# Altium PCB Mynd_BT.PcbDoc (part 2 of 2)
Units mm, origin at the board's own origin, x right, y up, seen from the top; angles counter-clockwise.
Board outline 55 x 41 mm, 4 copper layers (Component Side, Mid Layer 1, Mid Layer 2, Solder Side), stack 1.58 mm thick; 136 components, 79 nets, 396 pads, 302 vias.
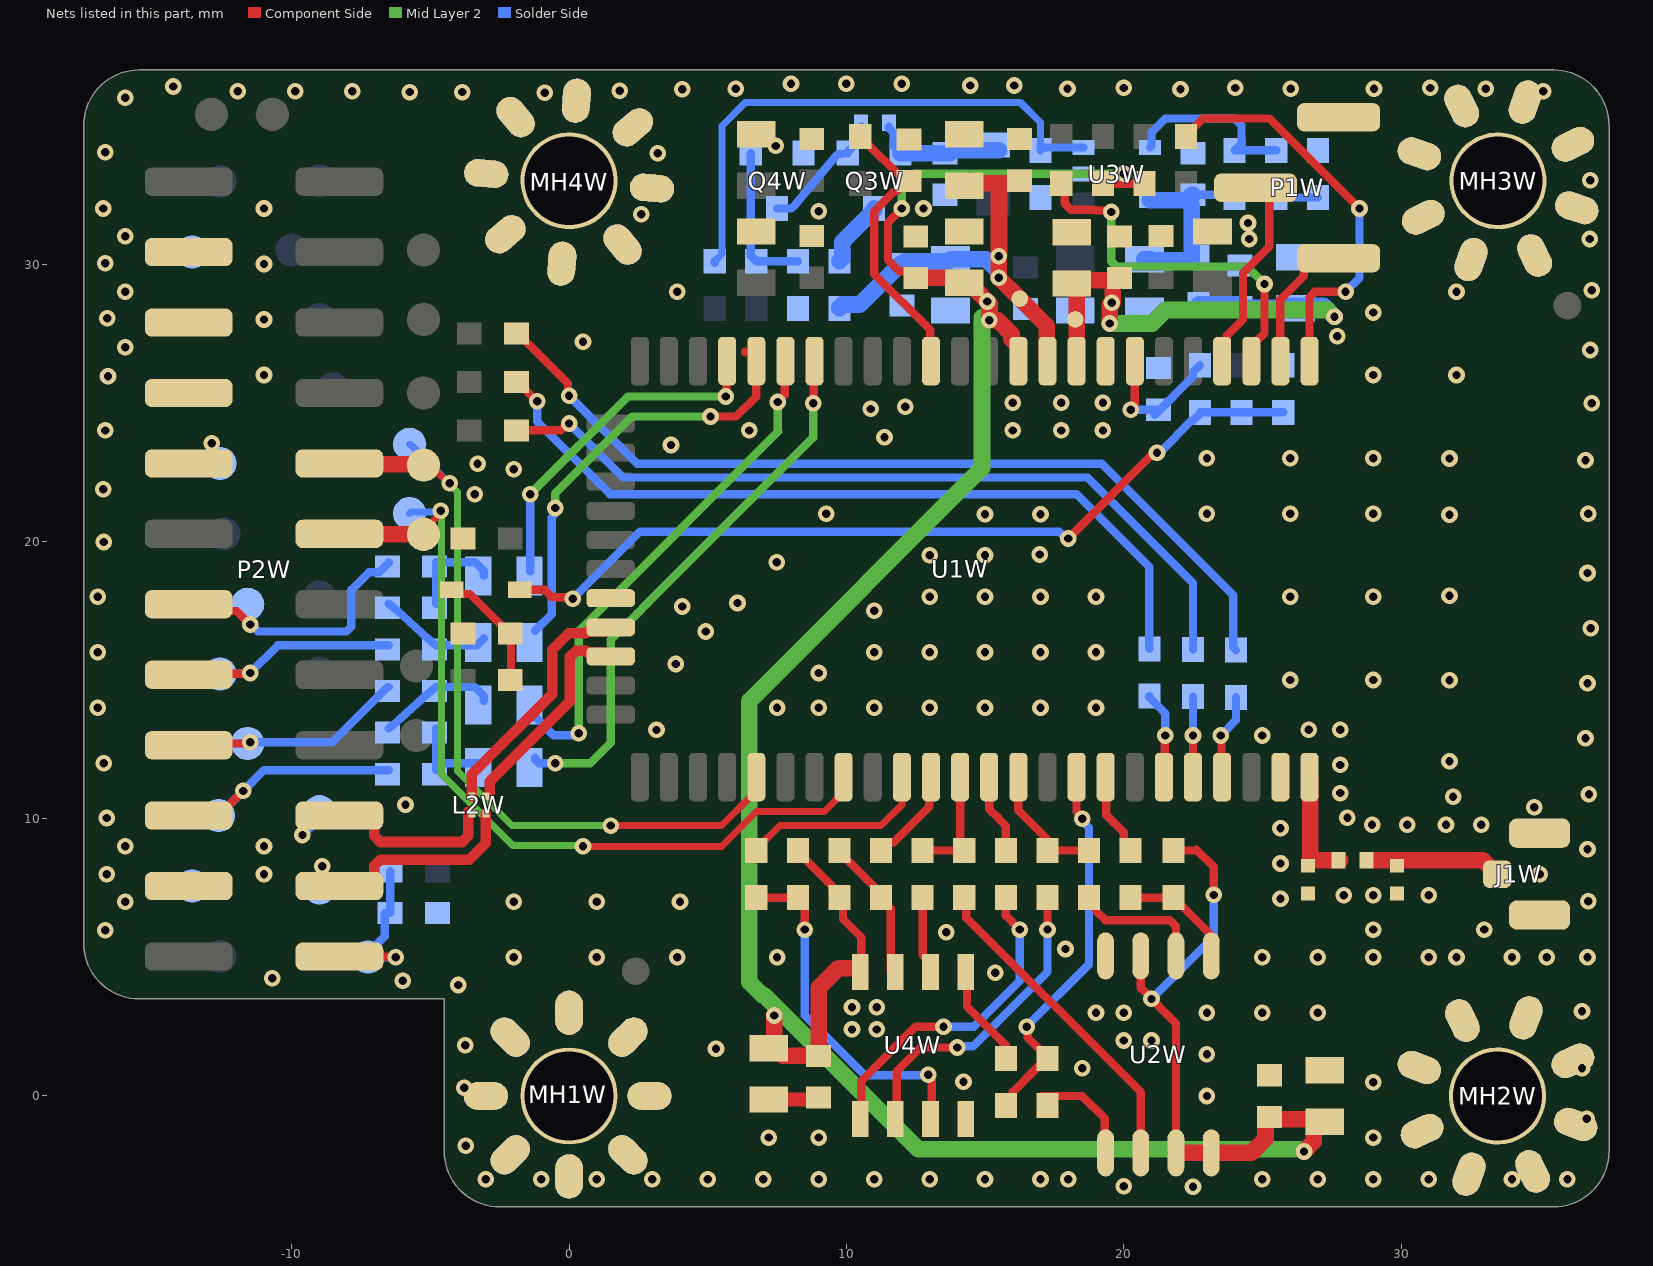
[diagram p4: the nets of this part, all layers, seen from the top]

## Via types
v1: diameter 0.6, hole 0.3, Component Side to Solder Side, tented both sides, 302 vias

## Nets (pads, with @x,y where several pads share a name; then routed paths per layer and width w, separated by ;. In a path a pad name is that pad's centre, name@x,y a point inside that pad or via, vN(x,y) a via of type N, cw(c..) or ccw(c..) an arc to the next point about the centre after c; other vN are vias at no path point) (continued)
BT_VBAT: C10W.2 C11W.2 C28W.1 C29W.2 FB4W.2 TP11W.1 U1W.51 | length 19.4
  Component Side w0.6: C11W.2@18,29.325 18.05,29.325 18.125,29.325 18.3,29.15 18.3,28.05 TP11W.1@18.25,28 ; U1W.51@18.3,26.5 TP11W.1@18.3,28 ; C11W.2@18.3,29.42 C10W.2@19.625,29.42 ; v1(19.5,27.855) 19.5,28.53 v1(19.57,28.6) ; v1@19.6,28.6 19.6,29.395 C10W.2@19.625,29.42 ; C10W.2@19.75,29.495 19.7,29.495 C10W.2@19.625,29.42
  Mid Layer 2 w0.6: v1(19.5,27.855) 21.019,27.855 21.505,28.341 27.359,28.341 v1(27.6,28.1)
  Solder Side w0.6: FB4W.2@22.7,28.55 24.045,28.55 24.15,28.445 C29W.2@24.2,28.445 24.223,28.423 C28W.1@25.627,28.423 ; C29W.2@23.998,28.475 C29W.2@24.02,28.497 ; C28W.1@25.9,28.4 25.985,28.485 27.215,28.485 v1(27.6,28.1)
  other v1: 27.7,27.4
BT_VBUS: C22W.1 C23W.1 C30W.2 C31W.2 FB5W.2 TP13W.1 U1W.50 | length 16.5
  Component Side w0.6: C23W.1@14.25,32.825 14.425,33 14.5,33 14.585,32.915 15.501,32.915 ; C22W.1@16,33.005 15.91,32.915 15.501,32.915 ; U1W.50@17.25,26.5 17.225,26.525 17.225,27.775 TP13W.1@16.25,28.75 v1(15.494,29.506) 15.494,30.353 15.501,30.36 15.501,32.915
  Solder Side w0.6: FB5W.2@9.75,28.4 9.75,28.439 9.85,28.539 10.484,28.539 11.95,30.005 C31W.2@12,30.005 12.085,30.09 13.665,30.09 C30W.2@13.75,30.175 15.037,30.175 v1@15.494,29.718 ; v1(15.494,29.506) v1@15.494,29.718 ; v1(15.494,30.275) v1@15.494,29.718
BT_VCC: C4W.2 C6W.2 C12W.2 C18W.2 C20W.1 C21W.1 R11W.1 R15W.1 R25W.1 R26W.1 R33W.1 U1W.49 U2W.3 U2W.7 U2W.8 U4W.8 | length 105.2
  Component Side w0.3: R26W.1@8.15,8.75 R26W.1@8.25,8.85 8.25,8.8 9.5,7.549 9.5,7.4 9.874,7.026 9.874,6.382 10.541,5.715 U4W.8@10.541,4.411 ; v1(12,32) 11.5,31.5 11.5,30.145 11.9,29.745 12.25,29.745 C18W.2@12.5,29.495 ; R11W.1@19.25,32.9 20,32.9 ; v1(20,33.25) 20,32.9 ; U2W.3@20.615,5.05 20.615,3.885 21.885,2.615 U2W.7@21.885,-2.05 ; R15W.1@20.75,32.9 20,32.9 ; R33W.1@21.8,8.85 22.6,8.85 22.626,8.876 23.25,8.251 v1(23.25,7.25)
  Component Side w0.6: v1(7.4,2.9) 7.4,1.75 7.705,1.445 C20W.1@9,1.445 ; C20W.1@9,1.545 9,3.9 9.7,4.6 10.395,4.6 U4W.8@10.395,4.65 ; 12.961,29.5 14.075,29.5 C12W.2@14.25,29.325 ; C12W.2@14.475,29.325 14.65,29.15 14.65,29.075 15.15,28.575 v1(15.15,27.975) 15.459,27.975 15.955,27.479 15.955,27.295 16.175,27.075 U1W.49@16.175,26.525 ; U2W.7@21.885,-2.05 U2W.8@23.03,-2.05 ; U2W.8@23.155,-2.05 24.605,-2.05 25.114,-1.541 25.114,-0.855 25.214,-0.755 C6W.2@25.25,-0.755 25.335,-0.84 27.165,-0.84 C4W.2@27.25,-0.925 27.025,-0.925 26.85,-1.1 26.85,-1.65 v1(26.5,-2)
  Mid Layer 2 w0.3: v1(12,32) 12,32.795 12.455,33.25 v1(20,33.25)
  Mid Layer 2 w0.6: v1@14.891,28.072 14.891,22.641 6.5,14.25 6.5,4.1 6.964,3.636 7.036,3.636 12.597,-1.925 v1@26.5,-1.925 ; v1(15.075,28.65) 15.15,28.575 v1(15.15,27.975)
  Solder Side w0.3: v1(21,3.5) 23.25,5.75 v1(23.25,7.25)
BT_Ver: P2W.24 R10W.2 R13W.1 TP7W.1 | length 6.4
  Component Side w0.3: P2W.24@-8.286,5.03 -8.271,5.015 -6.265,5.015 v1(-6.25,5)
  Solder Side w0.3: R13W.1@-6.65,6.6 -6.65,5.75 -7.25,5.15 TP7W.1@-7.25,5.015 -7.243,5.008 -6.258,5.008 v1(-6.25,5) ; R13W.1@-6.45,6.6 R10W.2@-6.45,8.1
BUD_N: L2W.4 U1W.28 | length 8.9
  Component Side w0.381: L2W.4@-3.503,10.812 -3.503,11.595 -0.604,14.494 -0.604,16.097 -0.009,16.693 0.592,16.693 0.665,16.765 1.365,16.765 U1W.28@1.5,16.9
BUD_P: L2W.3 U1W.27 | length 7.7
  Component Side w0.381: -2.868,10.944 -2.868,11.332 0.031,14.231 0.031,15.834 0.255,16.058 0.592,16.058 0.665,15.985 1.365,15.985 U1W.27@1.5,15.85
FLASH_CS: R33W.2 R34W.2 U2W.1 | length 4.2
  Component Side w0.3: R34W.2@20.25,7.15 R33W.2@21.8,7.15 21.8,7.1 22.05,6.85 22.1,6.85 23.098,5.852 23.098,5.107 U2W.1@23.155,5.05
FLASH_MISO: R36W.2 U2W.2 | length 4.8
  Component Side w0.3: R36W.2@18.75,7.15 19,6.9 19,6.676 19.337,6.338 21.662,6.338 21.885,6.115 U2W.2@21.885,5.05
FLASH_MOSI: R37W.2 U2W.5 | length 3.9
  Component Side w0.3: R37W.2@17.044,0 18.5,0 19.317,-0.817 19.317,-2.022 U2W.5@19.345,-2.05
FLASH_SCLK: R35W.2 U2W.6 | length 11.8
  Component Side w0.3: R35W.2@14.25,7.15 14.324,7.075 14.324,6.426 20.615,0.135 U2W.6@20.615,-2.05
GND: C1W.2 C2W.2 C4W.1 C6W.1 C7W.2 C8W.2 C10W.1 C11W.1 C12W.1 C14W.2 C15W.1 C16W.2 C17W.1 C18W.1 C19W.2 C20W.2 C21W.2 C22W.2 C23W.2 C24W.2 C25W.1 C26W.2 C27W.1 C28W.2 C29W.1 C30W.1 C31W.1 C32W.1 C33W.1 J1W.2 MH1W.1 MH2W.1 MH3W.1 MH4W.1 P1W.3 P2W.3 P2W.5 P2W.7 P2W.21 Q4W.S R13W.2 R19W.2 R21W.1 R24W.2 R40W.2 R41W.2 R44W.1 TP26W.1 TP33W.1 U1W.2 U1W.29 U1W.52 U2W.4 U3W.2 U4W.4 | length 1.9
  Component Side w0.5: C21W.2@7.235,-0.09 C21W.2@7.2,-0.125 8.93,-0.125 C20W.2@9,-0.055
  other v1: 22.5,-3.275 20,-3.25 -3,-3 -1,-3 1,-3 3,-3 5,-3 7,-3 9,-3 11,-3 13,-3 15,-3 17,-3 18,-3 25,-3 27,-3 29,-3 31,-3 34,-3 36,-3 -3.725,-1.8 7.2,-1.5 9,-1.5 29,-1.5 36.7,-0.825 23,0 -3.775,0.3 29,0.5 14.224,0.508 18.5,1 36.525,1 23,1.5 5.3,1.7 -3.75,1.825 20,2 21,2 10.2,2.4 11.1,2.4 19,3 20,3 23,3 25,3 27,3 36.525,3.05 10.2,3.2 11.1,3.2 -4,4 -6,4.15 -10.7,4.25 15.367,4.445 -2,5 1,5 3.9,5 7.5,5 25,5 27,5 29,5 31,5 32,5 34,5 35.25,5 36.725,5 17.9,5.3 13.6,5.9 -16.725,5.975 29,6 33,6 -16,7 -2,7 1,7 4,7 36.75,7.025 25.654,7.112 27.94,7.239 29,7.239 31,7.239 -16.675,8 -11,8 35,8 25.654,8.382 36.725,8.9 -16,9 -11,9 25.654,9.652 28.956,9.779 30.226,9.779 31.623,9.779 32.893,9.779 -16.675,10.025 28.067,10.033 34.798,10.414 -5.901,10.5 31.877,10.795 36.775,10.875 27.813,10.922 27.813,11.938 -16.775,12 31.75,12.065 36.65,12.9 25,13 3.15,13.2 26.67,13.208 27.813,13.208 -17,14 7.5,14 9,14 11,14 13,14 15,14 17,14 19,14 36.721,14.878 26,15 29,15 31.75,14.986 9,15.25 3.85,15.575 -17,16 11,16 13,16 15,16 17,16 19,16 4.925,16.75 36.84,16.867 11,17.5 4.075,17.65 6.075,17.775 -17,18 13,18 15,18 17,18 19,18 26,18 29,18 31.75,18.034 36.721,18.856 7.486,19.25 13,19.5 15,19.5 16.975,19.525 -16.775,19.975 31.75,20.955 9.275,21 15,20.98 17,20.98 23,21 26,21 29,21 36.75,21 -3.4,21.7 -16.8,21.875 -2,22.6 -3.3,22.8 36.65,22.925 23,23 26,23 29,23 31.75,22.987 3.675,23.475 11.375,23.75 -16.725,24 6.5,24 16,24 17.75,24 19.25,24 10.875,24.775 12.125,24.85 36.875,24.975 16,25 17.75,25 19.25,25 -16.625,25.95 -11,26 29,26 32,26 36.825,26.9 -16,27 0.5,27.2 -11,28 -16.65,28.05 29,28.25 -16,29 3.9,29 32,29 36.875,29.05 -11,30 -16.725,30.025 24.525,30.9 36.8,30.9 -16,31 24.483,31.477 2.6,31.8 9,31.9 -16.8,32 -11,32 12.78,32 36.825,33.025 3.2,34 -16.725,34.025 7.45,34.259 -16,36 -0.875,36.175 -5.75,36.2 -3.85,36.2 -11.95,36.225 -9.875,36.225 -7.815,36.236 35.125,36.225 1.825,36.25 4.075,36.3 6.007,36.32 22.05,36.3 17.975,36.325 26.025,36.325 29.025,36.325 33.05,36.325 20,36.35 24.025,36.35 31.05,36.35 -14.275,36.4 14.471,36.439 16.05,36.439 8,36.5 10,36.5 12,36.5
GPIO0: R5W.2 U1W.59 | length 14.8
  Component Side w0.3: R5W.2@22.251,34.6 22.251,34.65 22.852,35.25 25.25,35.25 v1(28.5,32) ; U1W.59@26.7,26.5 26.7,28.8 26.9,29 v1(28,29)
  Solder Side w0.3: v1(28,29) 28.5,29.5 v1(28.5,32)
GPIO1: R6W.2 U1W.57 | length 13.2
  Component Side w0.3: R6W.2@17.748,32.9 17.874,32.775 17.874,32.176 18.095,31.955 18.962,31.955 18.984,31.932 19.493,31.932 v1(19.55,31.875) ; U1W.57@24.6,26.5 24.6,27.043 24.774,27.217 24.792,27.217 25.075,27.5 v1(25.075,29.28)
  Mid Layer 2 w0.3: v1(19.55,31.875) 19.55,30.1 19.74,29.91 24.445,29.91 v1(25.075,29.28)
GPIO2/UART_RX: P1W.1 U1W.58 | length 5
  Component Side w0.3: U1W.58@25.65,26.5 25.65,28.725 26.494,29.569 26.494,29.858 26.596,29.96 P1W.1@27.75,29.96
GPIO3/UART_TX: P1W.2 U1W.56 | length 7.1
  Component Side w0.3: U1W.56@23.55,26.5 23.717,26.667 23.717,27.417 24.3,28 24.3,29.675 25.25,30.625 25.25,32.398 25.148,32.5 P1W.2@24.75,32.5
GPIO8: R27W.1 U1W.12 | length 2.9
  Component Side w0.3: U1W.12@15.15,11.5 15.15,10.35 15.5,10 15.5,9.984 15.75,9.735 R27W.1@15.75,8.85
GPIO9: R28W.1 R35W.1 U1W.13 | length 4.2
  Component Side w0.3: R28W.1@12.75,8.85 14.1,8.85 R35W.1@14.25,8.85 14.1,9 U1W.13@14.1,11.5
GPIO10: R30W.1 R36W.1 U1W.11 | length 4.6
  Component Side w0.3: U1W.11@16.2,11.5 16.2,10.3 17.25,9.25 R30W.1@17.25,8.85 ; R30W.1@17.25,8.85 R36W.1@18.75,8.85
GPIO11: R29W.1 R37W.1 U1W.9 | length 13.9
  Component Side w0.3: R29W.1@15.75,-0.325 16,-0.075 16,0.151 16.9,1.05 17,1.05 17.25,1.3 17.25,1.4 16.538,2.111 16.538,2.462 v1(16.5,2.5) ; U1W.9@18.3,11.5 18.3,10.254 18.5,10.054 v1(18.5,10)
  Solder Side w0.3: v1(16.5,2.5) 18.75,4.75 18.75,9.674 18.5,9.924 v1(18.5,10)
GPIO13: R32W.1 U1W.14 | length 3.5
  Component Side w0.3: R32W.1@11.25,8.85 11.25,8.9 11.5,9.15 11.709,9.15 12.984,10.425 12.984,11.434 U1W.14@13.05,11.5
GPIO14: R31W.1 U1W.15 | length 7.1
  Component Side w0.254: R31W.1@6.75,8.85 6.75,8.9 6.799,8.95 7.6,9.75 11.25,9.75 12,10.5 U1W.15@12,11.225
  Component Side w0.3: R31W.1@6.7,8.95 R31W.1@6.799,8.95 ; R31W.1@6.75,8.537 R31W.1@6.75,8.85
GPIO16: R34W.1 U1W.8 | length 3
  Component Side w0.3: U1W.8@19.35,11.5 19.371,11.479 19.371,10.129 20.007,9.493 20.007,9.093 R34W.1@20.25,8.85
Line_L_N: P2W.15 R9W.2 TP30W.1 | length 8.7
  Component Side w0.3: P2W.15@-13.716,15.19 -13.686,15.22 -11.53,15.22 v1(-11.5,15.25)
  Solder Side w0.3: TP30W.1@-12.59,15.22 v1(-11.5,15.25) -10.5,16.25 R9W.2@-6.5,16.25
Line_L_P: P2W.13 R7W.2 TP29W.1 | length 9.5
  Component Side w0.3: P2W.13@-13.716,17.73 -13.474,17.488 -11.988,17.488 v1(-11.5,17)
  Solder Side w0.3: v1@-11.537,17.025 v1(-11.5,17) -11.474,17 -11.224,16.75 -8.026,16.75 -7.85,16.926 -7.85,18.25 -7.219,18.881 -6.849,18.881 -6.499,19.231 R7W.2@-6.499,19.247
Line_R_N: P2W.19 R16W.2 TP32W.1 | length 9.2
  Component Side w0.3: P2W.19@-13.716,10.11 -12.641,10.11 v1@-11.751,11
  Solder Side w0.3: TP32W.1@-12.641,10.11 v1(-11.75,11) -11,11.75 R16W.2@-6.5,11.75
Line_R_P: P2W.17 R12W.2 TP31W.1 | length 8.2
  Component Side w0.3: P2W.17@-13.716,12.65 -13.654,12.712 -11.538,12.712 v1(-11.5,12.75)
  Solder Side w0.3: TP31W.1@-11.396,12.648 -11.502,12.747 -11.505,12.75 v1(-11.5,12.75) -8.55,12.75 -6.55,14.75 R12W.2@-6.5,14.75
MCU_RX: P2W.10 TP5W.1 TP18W.1 U1W.20 | length 29.4
  Component Side w0.254: TP5W.1@-5.28,22.78 -5.047,22.78 -4.367,22.1 v1(-4.3,22.1) ; v1(1.5,9.75) 5.5,9.75 6.502,10.752 6.533,10.752 6.75,10.969 U1W.20@6.75,11.5
  Component Side w0.6: P2W.10@-8.286,22.81 -8.256,22.78 TP5W.1@-5.28,22.78
  Mid Layer 2 w0.254: v1(-4.3,22.1) -4.3,22.053 -4.025,21.778 -4.025,11.722 -2.053,9.75 v1(1.5,9.75)
  Solder Side w0.254: TP18W.1@-5.75,23.5 -5.725,23.5 -4.325,22.1 v1(-4.3,22.1)
MCU_TX: P2W.12 TP6W.1 TP19W.1 U1W.17 | length 31.7
  Component Side w0.254: TP6W.1@-5.259,20.261 -5.259,20.39 -5.248,20.39 -4.632,21.006 v1(-4.632,21.1) ; v1(0.5,9) 5.5,9 6.762,10.262 9.212,10.262 9.9,10.95 U1W.17@9.9,11.5
  Component Side w0.6: P2W.12@-8.286,20.27 -8.278,20.261 TP6W.1@-5.259,20.261
  Mid Layer 2 w0.254: v1(-4.632,21.1) -4.6,21.068 -4.6,11.6 -2.04,9.04 0.46,9.04 v1(0.5,9)
  Solder Side w0.254: TP19W.1@-5.75,21 -5.7,21.05 -4.682,21.05 v1(-4.632,21.1)
NetC1W_1: C1W.1 J1W.1 L1W.1 | length 4.6
  Component Side w0.6: 29.043,8.5 32.95,8.5 33.45,8 J1W.1@33.475,8
NetC2W_1: C2W.1 L1W.2 U1W.1 | length 4
  Component Side w0.6: U1W.1@26.7,11.5 26.725,11.475 C2W.1@26.725,8.5 ; C2W.1@26.822,8.523 26.845,8.5 L1W.2@27.8,8.5
NetC3W_1: C3W.1 U1W.39 | length 12.6
  Component Side w0.3: v1(5.65,25.225) 5.675,25.25 5.675,26.475 U1W.39@5.7,26.5
  Mid Layer 2 w0.3: v1(-1.4,21.7) 2.123,25.223 v1(5.65,25.225)
  Solder Side w0.3: C3W.1@-1.4,18.925 v1(-1.4,21.7)
NetC3W_2: C3W.2 R7W.1 R14W.2 | length 3.5
  Solder Side w0.3: R14W.2@-4.799,17.753 -4.799,19.247 -3.4,19.247 -3.075,18.922 C3W.2@-3.075,18.75
NetC5W_1: C5W.1 U1W.41 | length 18.3
  Component Side w0.3: v1(7.525,25.025) 7.775,25.275 U1W.41@7.775,26.419
  Mid Layer 2 w0.3: v1(0.35,13.075) 0.35,16.775 7.54,23.965 7.525,23.98 v1(7.525,25.025)
  Solder Side w0.3: C5W.1@-1.225,13.675 -0.557,13.007 0.282,13.007 v1(0.35,13.075)
NetC5W_2: C5W.2 R8W.2 R12W.1 | length 4.3
  Solder Side w0.3: R8W.2@-6.5,13.251 -6.2,13.501 -6.079,13.611 -5.284,14.333 -5.1,14.5 -4.814,14.738 -4.8,14.75 -3.4,14.75 -3.075,14.425 C5W.2@-3.075,14.25
NetC19W_1: C19W.1 Q3W.S R22W.1 R45W.1 | length 4.7
  Solder Side w0.2: C19W.1@13.745,34 13.75,33.995 C19W.1@13.855,34.1
  Solder Side w0.3: R45W.1@11.53,34.95 11.53,34.9 11.7,34.73 11.7,34.25 Q3W.S@11.95,34
  Solder Side w0.6: Q3W.S@11.95,34 11.952,33.998 13.743,33.998 C19W.1@13.745,34 ; C19W.1@13.855,34.1 R22W.1@15.501,34.1
NetC26W_1: C26W.1 C27W.2 FB4W.1 R42W.1 U3W.5 | length 7.4
  Solder Side w0.3: C27W.2@22.5,32.495 23.905,32.495 R42W.1@24,32.4
  Solder Side w0.6: U3W.5@20.95,32.3 22.255,32.3 C27W.2@22.35,32.205 ; C26W.1@20.975,30.175 C26W.1@20.75,30.175 20.788,30.137 22.435,30.137 22.45,30.152 22.45,32.105 C27W.2@22.35,32.205 ; C27W.2@22.5,32.495 22.45,32.495 22.35,32.395 C27W.2@22.35,32.205
NetC32W_2: C32W.2 R39W.2 U1W.53 | length 5.3
  Component Side w0.3: v1@20.252,24.748 20.252,24.807 20.4,24.954 U1W.53@20.4,26.5
  Solder Side w0.3: v1(20.25,24.75) 20.252,24.748 21.248,24.748 C32W.2@21.25,24.745 ; C32W.2@21.118,24.564 22.5,25.945 22.5,26.1 R39W.2@22.75,26.35
NetC33W_2: C33W.2 R18W.2 U1W.46 | length 11.3
  Component Side w0.3: R18W.2@10.252,34.6 R18W.2@10.502,34.35 ; R18W.2@10.502,34.599 10.502,34.549 R18W.2@10.752,34.299 ; C33W.2@11.846,33.256 10.802,34.299 R18W.2@10.752,34.299 ; C33W.2@12.25,32.995 12.2,32.995 11.835,32.63 11.739,32.63 11,31.891 11,29.641 13.025,27.616 13.025,26.525 U1W.46@13.05,26.5 ; R18W.2@10.403,34.449 R18W.2@10.502,34.35 ; R18W.2@10.403,34.449 R18W.2@10.502,34.35 ; R18W.2@10.403,34.449 R18W.2@10.502,34.35 ; R18W.2@10.601,34.45 R18W.2@10.752,34.299 ; R18W.2@10.601,34.45 R18W.2@10.752,34.299 ; R18W.2@10.601,34.45 R18W.2@10.752,34.299
NetC34W_1: C34W.1 U1W.40 | length 15.3
  Component Side w0.3: v1(5.1,24.5) 6.025,24.5 6.75,25.225 U1W.40@6.75,26.5 ; 6.355,26.809 6.355,26.839
  Mid Layer 2 w0.3: v1(-0.5,21.2) -0.5,21.725 2.275,24.5 v1(5.1,24.5)
  Solder Side w0.3: C34W.1@-1.225,16.775 -0.62,17.38 -0.62,20.874 -0.557,20.937 -0.557,21.143 v1(-0.5,21.2)
NetC34W_2: C34W.2 R9W.1 R14W.1 | length 4.1
  Solder Side w0.3: R14W.1@-6.5,17.753 -6.2,17.503 -5.1,16.5 -4.8,16.25 -3.325,16.25 C34W.2@-3.075,16.5
NetC35W_1: C35W.1 U1W.42 | length 20
  Component Side w0.3: v1(8.8,24.975) 8.825,25 8.825,26.475 U1W.42@8.85,26.5
  Mid Layer 2 w0.3: v1(-0.5,12) 0.775,12 1.5,12.725 1.5,16.441 2.445,17.386 2.814,17.755 8.8,23.741 v1(8.8,24.975)
  Solder Side w0.3: C35W.1@-1.225,12.208 -1.225,12.125 -1.1,12 v1(-0.5,12)
NetC35W_2: C35W.2 R8W.1 R16W.1 | length 3.4
  Solder Side w0.3: R8W.1@-4.8,13.251 -4.8,11.75 cw(c-4.55,11.75) -4.55,12 C35W.2@-3.075,12
NetD1W_A: D1W.A R2W.1 R41W.1 | length 4.5
  Component Side w0.3: D1W.A@-4.225,18.25 -4.075,18.1 -3.57,18.1 -2.147,16.677 -2.097,16.677 -2.097,15.027 R2W.1@-2.122,15.002
NetFB1W_2: FB1W.2 R1W.2 | length 29
  Component Side w0.3: FB1W.2@-1.9,25.75 -1.85,25.75 v1(-1.15,25.05)
  Solder Side w0.3: v1(-1.15,25.05) -1.15,24.32 1.47,21.7 18.3,21.7 20.925,19.075 R1W.2@20.925,16.125
NetFB2W_2: FB2W.2 R3W.2 | length 29.3
  Component Side w0.3: FB2W.2@-1.9,24 -0.304,24 -0.054,24.25 v1(0,24.25)
  Solder Side w0.3: v1(0,24.25) 1.95,22.3 18.7,22.3 22.5,18.5 R3W.2@22.5,16.1
NetFB3W_2: FB3W.2 R4W.2 | length 32
  Component Side w0.3: FB3W.2@-1.9,27.5 -1.85,27.5 -0.038,25.689 -0.038,25.288 v1(0,25.25)
  Solder Side w0.3: v1(0,25.25) 2.45,22.8 19.2,22.8 23.951,18.049 23.951,16.174 R4W.2@24.05,16.075
NetFB5W_1: FB5W.1 Q3W.D | length 2.4
  Solder Side w0.6: FB5W.1@9.75,30.1 9.85,30.2 9.85,30.8 10.9,31.85 11,31.95 Q3W.D@11,32
NetQ3W_G: Q3W.G Q4W.D R45W.2 | length 4.8
  Solder Side w0.3: Q4W.D@7.5,32 8.017,32 8.105,32.088 8.115,32.097 9.414,33.647 9.611,33.883 9.696,33.968 9.8,33.968 Q3W.G@10.05,34 10.05,34.05 10.3,34.3 10.3,34.467 10.309,34.476 10.309,34.679 10.53,34.9 R45W.2@10.53,34.95 ; 10.442,34.799 10.626,34.799 R45W.2@10.628,34.802
NetQ4W_G: Q4W.G R23W.2 R24W.1 | length 5.5
  Solder Side w0.3: Q4W.G@6.55,34 6.55,30.3 R23W.2@6.75,30.1 R24W.1@8.25,30.1
NetR1W_1: R1W.1 U1W.6 | length 3.2
  Component Side w0.3: U1W.6@21.45,11.5 21.475,11.525 21.475,12.975 v1(21.5,13)
  Solder Side w0.3: R1W.1@20.925,14.425 20.925,14.375 21.5,13.8 v1(21.5,13)
NetR3W_1: R3W.1 U1W.5 | length 2.9
  Component Side w0.3: U1W.5@22.5,11.5 v1(22.5,13)
  Solder Side w0.3: v1@22.5,13 R3W.1@22.5,14.4
NetR4W_1: R4W.1 U1W.4 | length 3.1
  Component Side w0.3: v1(23.5,13) 23.525,12.975 23.525,11.525 U1W.4@23.55,11.5
  Solder Side w0.3: v1(23.5,13) 24.05,13.55 R4W.1@24.05,14.375
NetR19W_1: R19W.1 R20W.1 U3W.3 | length 19.8
  Solder Side w0.254: R20W.1@5.25,30.1 5.517,30.367 5.517,34.981 6.368,35.832 16.268,35.832 17,35.1 R19W.1@17,34.263
  Solder Side w0.3: R20W.1@5.25,30.05 R20W.1@5.25,30.1 ; R19W.1@17,34.263 R19W.1@17,34.1 17.1,34.2 U3W.3@18.55,34.2
NetR42W_2: R42W.2 R43W.2 U3W.4 | length 6.6
  Solder Side w0.3: U3W.4@20.95,34.2 21,34.25 21,34.75 21.5,35.25 24,35.25 24.25,35 24.25,34.576 ; 24.25,34.575 24.25,34.35 R42W.2@24,34.1 R43W.2@25.5,34.1
NetR43W_1: R43W.1 R44W.2 | length 1.5
  Solder Side w0.3: R43W.1@25.5,32.4 R44W.2@27,32.4
ON/OFF: D1W.K R38W.2 R39W.1 R40W.1 | length 30.7
  Component Side w0.3: D1W.K@-1.775,18.25 -0.875,18.25 -0.607,17.982 0.073,17.982 v1(0.13,17.925) ; v1(18,20.1) 21.062,23.162 21.162,23.162 v1(21.2,23.2)
  Solder Side w0.3: v1(0.13,17.925) 2.555,20.35 17.669,20.35 17.919,20.1 v1(18,20.1) ; v1(21.2,23.2) 21.238,23.238 21.338,23.238 22.45,24.35 22.5,24.35 22.75,24.6 R39W.1@22.75,24.65 R38W.2@24.25,24.65 R40W.1@25.75,24.65
PSRAM_CE: R27W.2 U4W.1 | length 11.4
  Component Side w0.3: U4W.1@10.541,-0.831 10.541,0.541 12.5,2.5 v1(13.5,2.5) ; R27W.2@15.75,7.15 15.75,6.5 16,6.25
  Solder Side w0.3: v1(13.5,2.5) 14.6,2.5 16.25,4.15 v1(16.25,6)
PSRAM_SCLK: R28W.2 U4W.6 | length 2.6
  Component Side w0.3: R28W.2@12.75,7.15 12.75,5.087 12.925,4.911 12.931,4.911 12.935,4.907 U4W.6@12.935,4.65
PSRAM_SIO0: R29W.2 U4W.5 | length 3.2
  Component Side w0.3: U4W.5@14.351,4.411 14.351,3.224 15.75,1.825 R29W.2@15.75,1.775
PSRAM_SIO1: R30W.2 U4W.2 | length 11.2
  Component Side w0.3: U4W.2@11.811,-0.697 11.811,0.881 12.68,1.75 v1(14,1.75) ; v1(17.25,6) R30W.2@17.25,7.15
  Solder Side w0.3: v1(14,1.75) 14.038,1.788 14.567,1.788 17.25,4.471 v1(17.25,6)
PSRAM_SIO2: R26W.2 R31W.2 U4W.3 | length 12.9
  Component Side w0.3: R31W.2@6.75,7.15 R26W.2@8.25,7.15 8.5,6.9 8.5,6.675 v1(8.5,6) ; R26W.2@8.5,7.02 R26W.2@8.5,7.05 ; v1(12.954,0.762) 12.954,0.708 13.081,0.581 U4W.3@13.081,-0.889
  Solder Side w0.3: v1(8.5,6) 8.5,2.9 10.65,0.75 12.942,0.75 v1(12.954,0.762)
PSRAM_SIO3: R25W.2 R32W.2 U4W.7 | length 5.1
  Component Side w0.3: R25W.2@9.75,8.85 9.75,8.8 11,7.551 11,7.4 R32W.2@11.25,7.15 11.25,7.1 11.6,6.75 U4W.7@11.6,4.501
USB_B_N: L2W.2 P2W.20 TP22W.1 | length 9.2
  Component Side w0.381: v1(-9.616,9.411) -9.593,9.434 -9.593,9.795 -9.279,10.11 P2W.20@-8.286,10.11 -7.338,10.11 -7.024,9.795 -7.024,9.381 -6.8,9.158 -3.858,9.158 -3.635,9.381 -3.635,10.188 ; -3.635,10.251 L2W.2@-3.571,10.188
  Solder Side w0.381: v1(-9.616,9.411) -9.616,9.444 -9,10.06 TP22W.1@-9,10.25
USB_B_P: L2W.1 P2W.22 TP23W.1 | length 8.4
  Component Side w0.381: v1(-8.897,8.28) -8.897,7.885 -8.583,7.57 P2W.22@-8.286,7.57 -7.338,7.57 -7.024,7.885 -7.024,8.299 -6.8,8.523 -3.595,8.523 -3,9.118 L2W.1@-3,10.188
VSys: P2W.9 TP27W.1 | length 0.9
  Solder Side w0.3: v1(-12.891,23.537) -12.853,23.499 -12.853,23.316 -12.59,23.054 TP27W.1@-12.59,22.81
pads on no net: MK1W.0 MK1W.1 MK1W.MK_B MK1W.MKT MK2W.0 MK2W.1 MK2W.MK_B MK2W.MKT U1W.3 U1W.7 U1W.10 U1W.16 U1W.18 U1W.19 U1W.21 U1W.22 U1W.23 U1W.24 U1W.25 U1W.26 U1W.31 U1W.32 U1W.33 U1W.34 U1W.35 U1W.36 U1W.37 U1W.38 U1W.47 U1W.48 U1W.55

## Polygon pours and split planes (outlines as drawn)
GND on Mid Layer 1 "GND_L02_P009" (solid, remove dead copper, pour order 9): -17.5,35 cw(c-15.5,35) -15.5,37 35.5,37 cw(c35.321,34.849) 37.473,34.67 37.5,-2 cw(c35.371,-1.808) 35.179,-3.937 -2.5,-4 cw(c-2.5,-2) -4.5,-2 -4.5,3.5 -15.24,3.556 cw(c-15.177,5.905) -17.526,5.969 -17.526,30.734
GND on Mid Layer 2 "GND_L03_P007" (solid, remove dead copper, pour order 7): -17.5,35 cw(c-15.178,34.774) -16.002,36.957 35.5,37 cw(c35.156,34.576) 37.5,35.281 37.444,-1.529 cw(c35.237,-1.793) 35.5,-4 -2.5,-4 cw(c-2.362,-1.917) -4.445,-1.778 -4.5,3.5 -15.586,3.5 cw(c-15.301,5.699) -17.5,5.984 -17.5,30.988
GND on Component Side "GND_L01_P010" (solid, remove dead copper, pour order 10): -17.5,35 cw(c-15.5,35) -15.5,37 35.306,37.084 cw(c35.243,34.862) 37.465,34.798 37.465,-1.778 cw(c35.374,-1.909) 35.5,-4 -2.5,-4 cw(c-2.5,-2) -4.5,-2 -4.5,3.5 -15.073,3.553 cw(c-15.113,5.842) -17.399,5.969
GND on Solder Side "GND_L04_P001" (solid, remove dead copper, pour order 1): -17.5,35 cw(c-15.5,35) -15.5,37 35.5,37 cw(c35.382,34.917) 37.465,34.798 37.487,-1.775 cw(c35.382,-1.894) 35.5,-4 -2.5,-4 cw(c-2.498,-1.998) -4.5,-2 -4.5,3.5 -15.11,3.538 cw(c-15.23,5.835) -17.529,5.86 -17.529,30.734

## Keep-outs
Keep-Out Layer:
  circle w0.1: c-5,33 r1
  circle w0.1: c5,0 r1
  lines w0.1: -17.5,12.003 -17.5,5.5 ccw(c-15.5,5.5) -15.5,3.5 -5.5,3.5 cw(c-5.5,2.5) -4.5,2.5 -4.5,-2 ccw(c-2.5,-2) -2.5,-4 5.503,-4 ; -17.5,20.897 -17.5,35 cw(c-15.5,35) -15.5,37 5.503,37 ; 14.397,-4 35.5,-4 ccw(c35.5,-2) 37.5,-2 37.5,12.003 ; 14.397,37 35.5,37 cw(c35.5,35) 37.5,35 37.5,20.897

## Other copper
Component Side:
  pour cut-out: 26.035,12.521 cw(c26.339,12.521) 26.339,12.825 27.053,12.825 cw(c27.053,12.446) 27.432,12.446 27.432,9.743 ccw(c27.764,9.743) 27.764,9.411 33.79,9.411 cw(c33.79,8.94) 34.261,8.94 34.261,7.486 cw(c34,7.486) 34,7.225 32.975,7.225 cw(c32.975,7.4) 32.8,7.4 ccw(c32.6,7.4) 32.6,7.6 26.375,7.6 cw(c26.375,7.95) 26.025,7.95 26.025,12.521
  region net BT_VCC: 12.6,29.2 14.1,27.7 15.875,27.7 16,27.825 16,28.2 14.3,29.9 12.6,29.9
  region net 5V_CCPD: -12.9,5.7 -12.1,6.5 -10.5,6.5 -10.3,6.3 -10.3,5.1 -10.7,5.1 -11.5,4.3 -15.4,4.3 -15.7,4.6 -15.7,5.6 -15.6,5.7
Mid Layer 1:
  pour cut-out: 26.035,12.521 cw(c26.339,12.521) 26.339,12.825 27.053,12.825 cw(c27.053,12.446) 27.432,12.446 27.432,9.743 ccw(c27.764,9.743) 27.764,9.411 33.79,9.411 cw(c33.79,8.94) 34.261,8.94 34.261,7.486 cw(c34,7.486) 34,7.225 32.975,7.225 cw(c32.975,7.4) 32.8,7.4 ccw(c32.6,7.4) 32.6,7.6 26.375,7.6 cw(c26.375,7.95) 26.025,7.95 26.025,12.521
Mid Layer 2:
  pour cut-out: 5.757,10.007 5.765,10 6.5,10 6.5,9.8 5.8,9.8 5.757,9.757
  region net BT_VBAT: 19.1,27.6 19.1,28.7 19.3,28.9 20.6,28.9 20.7,28.8 27.4,28.8 28.2,28 28.2,27.2 28,27 27.3,27 26.2,28.1 21.4,28.1 20.8,27.5 19.2,27.5
  region net BT_VCC: 15.1,27.1 15.9,27.9 15.9,28.54 15.541,28.899 14.797,28.899 14.6,28.702 14.6,27.1 15.2,27.1
  region net 5V_CCPD: 16.8,31.9 17.1,31.6 17.1,30.5 16.9,30.3 16.3,30.3 15.5,31.1 15.5,31.9
  region net 5V_CCPD: -12.1,6.5 -12.44,6.16 -12.44,5.2 -12,4.76 -10.64,4.76 -9.9,5.5 -9.9,6.5
Solder Side:
  region net BT_VBUS: 13.97,29.718 14.478,29.718 14.986,29.21 15.621,29.21 15.8,29.389 15.8,30.301 15.494,30.607 13.716,30.607 13.716,29.845
  region net 5V_CCPD: 14.986,32.639 14.986,31.623 16.129,30.48 16.129,29.972 17.65,29.972 17.65,30.864 17.018,31.496 16.51,31.496 15.621,32.385 15.621,32.639
  region net BT_VBAT: 26.3,28.8 27.4,28.8 28.014,28.186 28.03,28.186 28.03,27.191 28.065,27.156 27.944,27.035 27.456,27.035 26.392,28.1 26.2,28.1 26.2,28.7

## Silkscreen, mask and mechanical layers (free items; w line width, h text height)
Top Overlay:
  circle w0.1: c-16.275,21.3 r0.65
  lines w0.1: 3.9,8.9 3.9,9.4 5.7,9.4 ; 5.5,9.2 5.7,9.4 ; 5.5,9.6 5.7,9.4 ; 5.7,9.475 5.7,9.55 5.7,9.513 ; 24.3,28.1 24.3,28.7 25.225,27.775 28.8,27.775 ; 24.2,32.1 24.2,28.445 16.8,28.445 16.8,32.2 15.4,32.2 15.4,35.4 15.5,35.5 23.2,35.5 23.2,32.1 24.2,32.1 ; 24.2,32.1 24.2,32.1 ; -6.3,5.7 5,5.7 5,8.9 -6.3,8.9 -6.3,5.7 ; 5.7,6.3 5.7,9.7 5.8,9.8 22.8,9.8 22.8,6.3 5.7,6.3 ; 28.8,26.05 29.4,25.45 29.4,23.3 34,23.3 34,29.5 28.8,29.5 28.8,26.05
  text "1" at -16.5,20.825 h1
Bottom Overlay:
  region: 20,23.95 8,23.95 8,11.95 20,11.95
  lines w0.1: -7.25,25.52 ccw(c-7.23,25.52) -7.23,25.5 ; 0.4,19.6 0.2,19.8 ; 0.4,20 0.2,19.8 ; 0.7,19.25 0.7,11.7 ccw(c0.8,11.7) 0.8,11.6 7.9,11.6 7.9,19.25 ; 0.75,19.25 1.15,19.25 7.85,19.25 ; 1.1,19.34 1.1,19.8 0.2,19.8 ; 3.2,29.2 3.2,30.175 3.2,30.2 5.4,32.4 ; 5.1,32.4 5.4,32.4 ; 5.4,32.1 5.4,32.4 ; 0.2,19.8 0.2,19.8 ; -8.075,25.4 -8.075,29.2 3.423,29.2 3.423,21.9 -1.1,21.9 -2.4,21.9 -2.4,25.4 -8.075,25.4 ; -7.5,10.75 0,10.75 0,20 0,20.25 -7.5,20.25 -7.5,10.75 ; 5.5,31.25 5.5,35.832 7.746,35.832 28,35.832 28,27.25 19.5,27.25 19.5,31.25 5.5,31.25
  text "LRBPS2307-H001" at 18.55,-0.05 h1
  text "WK27.24" at 15.3,-1.4 h1
Mechanical 1:
  circle w0.1: c0,33 r1.75
  circle w0.1: c0,0 r1.75
  circle w0.1: c33.5,33 r1.75
  circle w0.1: c33.5,0 r1.75
  circle w0.1: c5,0 r1
  circle w0.1: c-5,33 r1
  lines w0.1: -17.5,12.003 -17.5,5.5 ccw(c-15.5,5.5) -15.5,3.5 -5.5,3.5 cw(c-5.5,2.5) -4.5,2.5 -4.5,-2 ccw(c-2.5,-2) -2.5,-4 5.503,-4 ; -17.5,20.897 -17.5,35 cw(c-15.5,35) -15.5,37 5.503,37 ; 14.397,-4 35.5,-4 ccw(c35.5,-2) 37.5,-2 37.5,12.003 ; 14.397,37 35.5,37 cw(c35.5,35) 37.5,35 37.5,20.897
Mechanical 2:
  circle w0.1: c0,0 r4
  circle w0.1: c0,33 r4
  circle w0.1: c33.5,0 r4
  circle w0.1: c33.5,33 r4
  lines w0.1: -4.46,3.5 -4.46,37
Top Assembly:
  drawing of 511 lines, arcs and shapes, not listed
Drill Drawing:
  lines w0.381: 51.799,-23.593 152.814,-23.593 ; 51.799,-4.543 152.814,-4.543 ; 53.216,28.608 63.628,28.608 87.497,28.608 109.335,28.608 125.841,28.608 140.315,28.608 ; 53.216,31.656 63.628,31.656 87.497,31.656 109.335,31.656 125.841,31.656 140.315,31.656 ; 53.216,34.704 63.628,34.704 87.497,34.704 109.335,34.704 125.841,34.704 140.315,34.704 ; 53.216,37.752 63.628,37.752 87.497,37.752 109.335,37.752 125.841,37.752 140.315,37.752 ; 53.216,40.8 63.628,40.8 87.497,40.8 109.335,40.8 125.841,40.8 140.315,40.8 ; 53.216,43.848 63.628,43.848 87.497,43.848 109.335,43.848 125.841,43.848 140.315,43.848 ; 53.216,46.896 63.628,46.896 87.497,46.896 109.335,46.896 125.841,46.896 140.315,46.896 ; 53.216,49.944 63.628,49.944 87.497,49.944 109.335,49.944 125.841,49.944 140.315,49.944 ; 53.216,52.992 63.628,52.992 87.497,52.992 109.335,52.992 125.841,52.992 140.315,52.992 ; 53.216,56.04 63.628,56.04 87.497,56.04 109.335,56.04 125.841,56.04 140.315,56.04 ; 53.216,59.088 140.315,59.088 ; 63.628,62.136 63.628,25.56 ; 67.924,-27.403 67.924,-0.733 ; 86.258,-27.403 86.258,-0.733 ; 87.497,62.136 87.497,25.56 ; 99.107,-27.403 99.107,-0.733 ; 109.335,62.136 109.335,25.56 ; 117.746,-27.403 117.746,-0.733 ; 125.841,62.136 125.841,25.56 ; 132.728,-27.403 132.728,-0.733 ; 63.628,25.56 87.497,25.56 ; 63.628,25.56 53.216,25.56 53.216,62.136 140.315,62.136 140.315,25.56 125.841,25.56 ; 87.497,25.56 109.335,25.56 ; 109.335,25.56 125.841,25.56 ; 51.799,-27.403 152.814,-27.403 152.814,-0.733 51.799,-0.733 51.799,-27.403
  text "Layer" at 54.994,59.85 h1.52
  text "Name" at 65.406,59.85 h1.52
  text "Material" at 89.275,59.85 h1.52
  text "Thickness" at 111.113,59.85 h1.52
  text "Constant" at 127.619,59.85 h1.52
  text "Top Overlay" at 65.406,56.802 h1.52
  text "Top Solder" at 65.406,53.754 h1.52
  text "Solder Resist" at 89.275,53.754 h1.52
  text "0,010mm" at 111.113,53.754 h1.52
  text "3.5" at 127.619,53.754 h1.52
  text "1" at 54.994,50.706 h1.52
  text "Component Side" at 65.406,50.706 h1.52
  text "0,035mm" at 111.113,50.706 h1.52
  text "Dielectric 1" at 65.406,47.658 h1.52
  text "PP-006" at 89.275,47.658 h1.52
  text "0,071mm" at 111.113,47.658 h1.52
  text "4.1" at 127.619,47.658 h1.52
  text "2" at 54.994,44.61 h1.52
  text "Mid Layer 1" at 65.406,44.61 h1.52
  text "CF-004" at 89.275,44.61 h1.52
  text "0,035mm" at 111.113,44.61 h1.52
  text "Dielectric1" at 65.406,41.562 h1.52
  text "FR-4" at 89.275,41.562 h1.52
  text "1,297mm" at 111.113,41.562 h1.52
  text "4.2" at 127.619,41.562 h1.52
  text "3" at 54.994,38.514 h1.52
  text "Mid Layer 2" at 65.406,38.514 h1.52
  text "CF-004" at 89.275,38.514 h1.52
  text "0,035mm" at 111.113,38.514 h1.52
  text "Dielectric 2" at 65.406,35.466 h1.52
  text "PP-006" at 89.275,35.466 h1.52
  text "0,071mm" at 111.113,35.466 h1.52
  text "4.1" at 127.619,35.466 h1.52
  text "4" at 54.994,32.418 h1.52
  text "Solder Side" at 65.406,32.418 h1.52
  text "0,035mm" at 111.113,32.418 h1.52
  text "Bottom Solder" at 65.406,29.37 h1.52
  text "Solder Resist" at 89.275,29.37 h1.52
  text "0,010mm" at 111.113,29.37 h1.52
  text "3.5" at 127.619,29.37 h1.52
  text "Bottom Overlay" at 65.406,26.322 h1.52
  text "Total board thickness:" at 54.994,23.274 h1.52
  text "1,600mm" at 110.959,22.879 h0.8
  text "Minimum Track Width: 0.192mm" at 55.329,15.579 h1.52
  text "Count" at 54.085,-3.4 h1.83
  text "Hole Size" at 69.067,-3.4 h1.83
  text "Plated" at 87.401,-3.4 h1.83
  text "Hole Type" at 100.25,-3.4 h1.83
  text "Via/Pad" at 118.889,-3.4 h1.83
  text "Pad Shape" at 133.871,-3.4 h1.83
  text "150" at 54.085,-7.21 h1.52
  text "0,300mm" at 69.067,-7.21 h1.52
  text "PTH" at 87.401,-7.21 h1.52
  text "Round" at 100.25,-7.21 h1.52
  text "(Mixed)" at 118.889,-7.21 h1.52
  text "Rounded" at 133.871,-7.21 h1.52
  text "5" at 54.085,-11.02 h1.52
  text "1,000mm" at 69.067,-11.02 h1.52
  text "PTH" at 87.401,-11.02 h1.52
  text "Round" at 100.25,-11.02 h1.52
  text "Pad" at 118.889,-11.02 h1.52
  text "(Mixed)" at 133.871,-11.02 h1.52
  text "8" at 54.085,-14.83 h1.52
  text "1,016mm" at 69.067,-14.83 h1.52
  text "PTH" at 87.401,-14.83 h1.52
  text "Round" at 100.25,-14.83 h1.52
  text "Pad" at 118.889,-14.83 h1.52
  text "Rounded" at 133.871,-14.83 h1.52
  text "24" at 54.085,-18.64 h1.52
  text "1,100mm" at 69.067,-18.64 h1.52
  text "PTH" at 87.401,-18.64 h1.52
  text "Round" at 100.25,-18.64 h1.52
  text "Pad" at 118.889,-18.64 h1.52
  text "(Mixed)" at 133.871,-18.64 h1.52
  text "3" at 54.085,-22.45 h1.52
  text "3,200mm" at 69.067,-22.45 h1.52
  text "PTH" at 87.401,-22.45 h1.52
  text "Round" at 100.25,-22.45 h1.52
  text "Pad" at 118.889,-22.45 h1.52
  text "Rounded" at 133.871,-22.45 h1.52
  text "190 Total" at 54.085,-26.26 h1.52

## Text inside footprints (layer, text, board x,y; h text height)
Teufel_ASM_Label1W: Bottom Overlay "ASM REV '.ASM_Rev'" at 17.625,3.625 h2.5
Teufel_Copyright1W: Bottom Overlay "Copyright © '.Copyright_Year' Lautsprecher Teufel GmbH" at 34.875,6.4 h2
Teufel_PCB_Label1W: Bottom Overlay "PCB REV '.PCB_Rev'" at 17.65,1.622 h2.5